# Altium PCB AnalogIO-CAN-HW-Rev1.PcbDoc (part 2 of 2)
Units mil, origin at the board's own origin, x right, y up, seen from the top; angles counter-clockwise.
Board outline 3934 x 2940 mil, 4 copper layers (Top Layer, GND Layer, Power Layer, Bottom Layer), stack 22.154 mil thick; 165 components, 107 nets, 484 pads, 172 vias.
Unrouted connection lines stored in the file: 53.
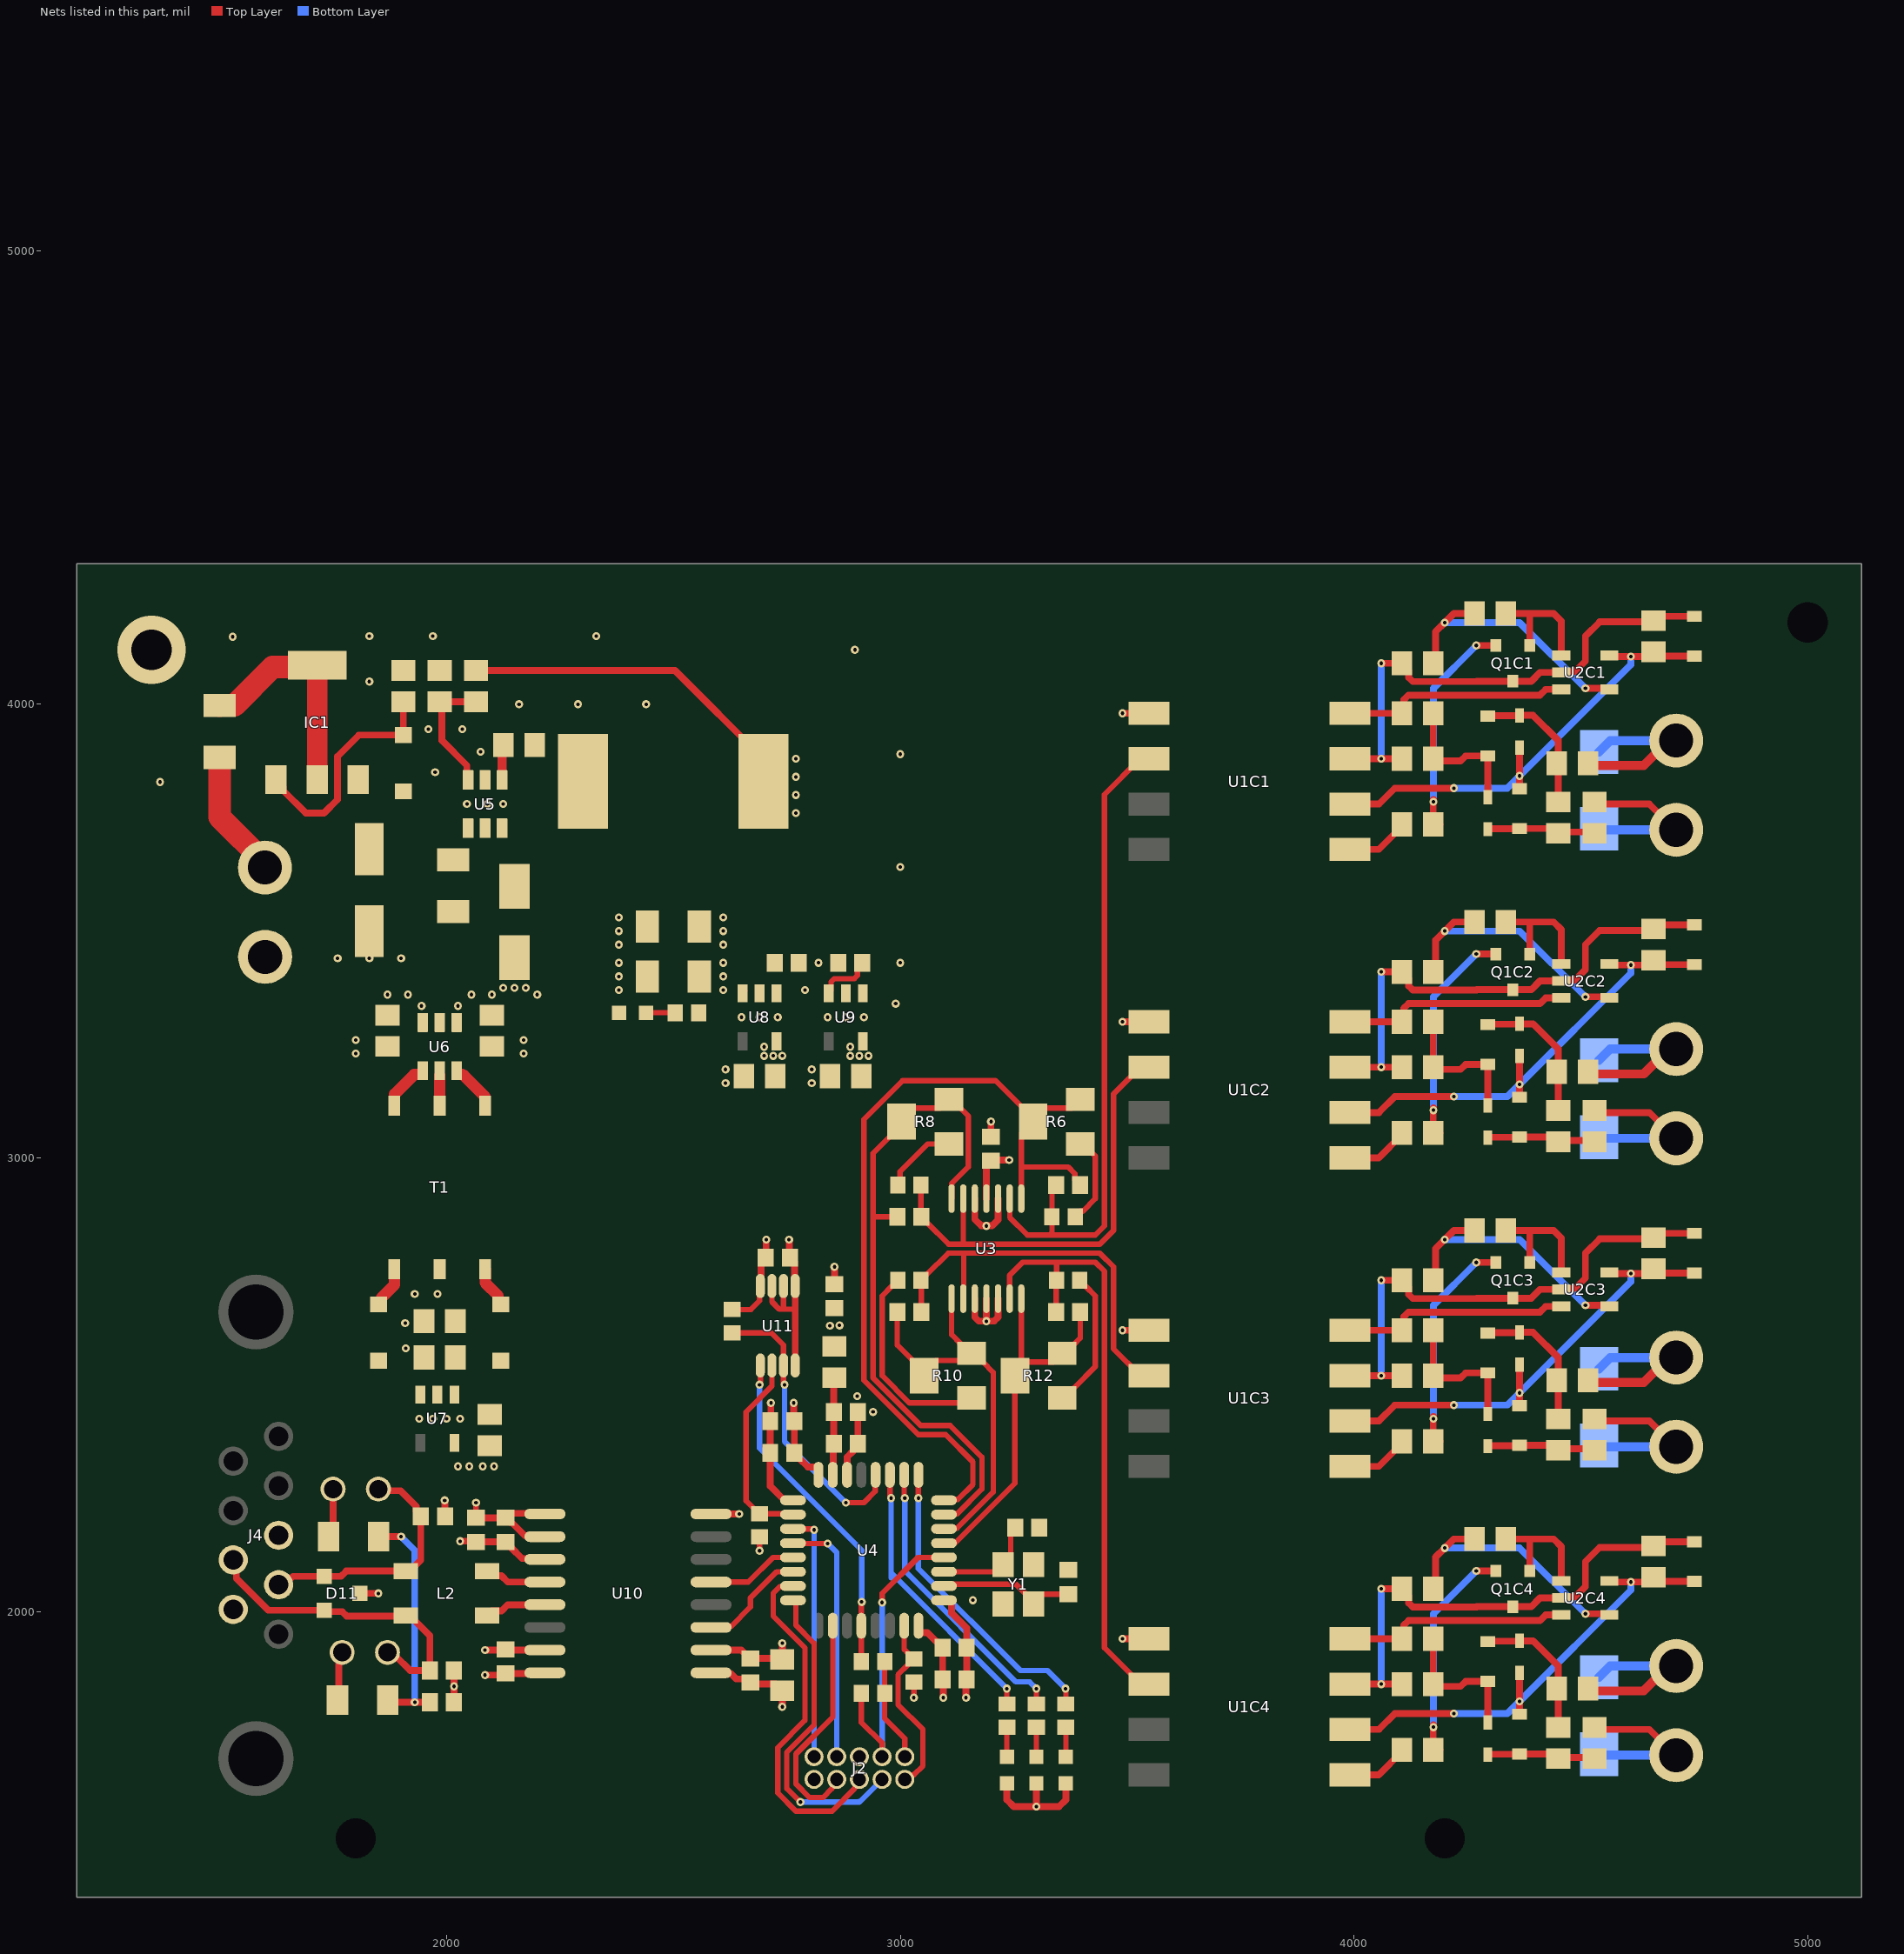
[diagram p4: the nets of this part, all layers, seen from the top]

## Via types
v1: diameter 17.72, hole 7.87, Top Layer to Bottom Layer, 171 vias
v2: diameter 150, hole 89, Top Layer to Bottom Layer, 1 vias

## Nets (pads, with @x,y where several pads share a name; then routed paths per layer and width w, separated by ;. In a path a pad name is that pad's centre, name@x,y a point inside that pad or via, vN(x,y) a via of type N, cw(c..) or ccw(c..) an arc to the next point about the centre after c; other vN are vias at no path point)
AICHN1: C5.2 R6.2 R6.3 U3.1 U4.8 | length 1921.9
  Top Layer w12: U4.8@3096.34,2245.24 3098.19,2247.08 3127.08,2247.08 3160,2280 3160,2330 3100,2390 3040,2390 2920,2510 2920,3085 3005,3170 3210,3170 3266.63,3113.37 3267.26,3113.37 3292.76,3087.87 R6.2@3292.76,3080 3267.26,3054.5 3267.26,3040.09 3266.77,3039.6 3266.77,2980 U3.1@3266.77,2910.22 ; 3270,2980 3370,2980 3384.86,2965.14 3384.86,2951.72 C5.2@3396.57,2940 ; R6.2@3292.76,3084.5 3318.25,3110 3377.87,3110 R6.3@3397.09,3129.21
AICHN2: C6.2 R8.2 R8.3 U3.7 U4.7 | length 1476.5
  Top Layer w12: C6.2@2993.43,2870 2940,2870 ; R8.2@3002.76,3080 3002.76,3072.13 2977.26,3046.63 2976.63,3046.63 2940,3010 2940,2870 ; R8.2@3028.25,3110 3087.87,3110 R8.3@3107.09,3129.21 3112.99,3129.21 3150,3092.2 3150,2980 3113.57,2943.57 3113.57,2910.56 U3.7@3113.23,2910.22 ; U4.7@3096.34,2213.74 3098.19,2215.59 3125.59,2215.59 3180,2270 3180,2340 3110,2410 3045,2410 2940,2515 2940,2870
AICHN3: C7.2 R10.2 R10.3 U3.8 U4.6 | length 899.4
  Top Layer w12: C7.2@2993.43,2660 2993.43,2587.2 R10.2@3052.76,2527.87 ; R10.2@3052.76,2520 R10.2@3052.76,2527.87 ; U4.6@3096.34,2182.24 3098.19,2184.09 3125.4,2184.09 3205,2263.69 3205,2527.2 3182.58,2549.62 3162.99,2569.21 R10.3@3157.09,2569.21 ; U3.8@3113.23,2689.75 3113.23,2610.12 3131.59,2591.76 3131.59,2588.8 3151.18,2569.21 R10.3@3157.09,2569.21 ; R10.2@3052.76,2527.87 3078.25,2553.37 3141.24,2553.37 R10.3@3157.09,2569.21
AICHN4: C8.2 R12.2 R12.3 U3.14 U4.5 | length 812.4
  Top Layer w12: U4.5@3097.61,2152.02 3122.02,2152.02 3252.76,2282.76 R12.2@3252.76,2520 ; R12.2@3259.76,2534.88 R12.2@3266.77,2541.89 ; U3.14@3266.77,2689.75 R12.2@3266.77,2541.89 ; R12.3@3357.09,2569.21 3337.87,2550 3274.88,2550 R12.2@3266.77,2541.89 ; R12.3@3362.99,2569.21 3382.58,2588.8 3396.57,2602.8 C8.2@3396.57,2660
  Top Layer w15: U4.5@3096.34,2150.75 U4.5@3097.61,2152.02
AINC1_N: D3C1.2 FB2C1.2 J1C1.1 | length 411.5
  Top Layer w20: FB2C1.2@4512.99,3870 4517.99,3865 4638.43,3865 4693.43,3920 J1C1.1@4710,3920 ; J1C1.1@4723.21,3910.26 J1C1.1@4729.76,3916.82
  Bottom Layer w20: D3C1.2@4540,3895 4565,3920 J1C1.1@4710,3920
AINC1_P: D3C1.1 FB1C1.1 J1C1.2 | length 413
  Top Layer w15: FB1C1.1@4530,3781.5 4531.5,3780 4651.09,3780 4707.91,3723.18 J1C1.2@4710.24,3723.18 J1C1.2@4720.24,3723.18
  Top Layer w20: J1C1.2@4726.42,3720 J1C1.2@4730,3720
  Bottom Layer w20: D3C1.1@4540,3725.71 4542.53,3723.18 J1C1.2@4710.24,3723.18 ; J1C1.2@4703.42,3740 J1C1.2@4720.24,3723.18
AINC2_N: D3C2.2 FB2C2.2 J1C2.1 | length 411.5
  Top Layer w20: FB2C2.2@4512.99,3190 4517.99,3185 4638.43,3185 4693.43,3240 J1C2.1@4710,3240 ; J1C2.1@4723.21,3230.26 J1C2.1@4729.76,3236.82
  Bottom Layer w20: D3C2.2@4540,3215 4565,3240 J1C2.1@4710,3240
AINC2_P: D3C2.1 FB1C2.1 J1C2.2 | length 413
  Top Layer w15: FB1C2.1@4530,3101.5 4531.5,3100 4651.09,3100 4707.91,3043.18 J1C2.2@4710.24,3043.18 J1C2.2@4720.24,3043.18
  Top Layer w20: J1C2.2@4726.42,3040 J1C2.2@4730,3040
  Bottom Layer w20: D3C2.1@4540,3045.71 4542.53,3043.18 J1C2.2@4710.24,3043.18 ; J1C2.2@4703.42,3060 J1C2.2@4720.24,3043.18
AINC3_N: D3C3.2 FB2C3.2 J1C3.1 | length 411.5
  Top Layer w20: FB2C3.2@4512.99,2510 4517.99,2505 4638.43,2505 4693.43,2560 J1C3.1@4710,2560 ; J1C3.1@4723.21,2550.26 J1C3.1@4729.76,2556.82
  Bottom Layer w20: D3C3.2@4540,2535 4565,2560 J1C3.1@4710,2560
AINC3_P: D3C3.1 FB1C3.1 J1C3.2 | length 413
  Top Layer w15: FB1C3.1@4530,2421.5 4531.5,2420 4651.09,2420 4707.91,2363.18 J1C3.2@4710.24,2363.18 J1C3.2@4720.24,2363.18
  Top Layer w20: J1C3.2@4726.42,2360 J1C3.2@4730,2360
  Bottom Layer w20: D3C3.1@4540,2365.71 4542.53,2363.18 J1C3.2@4710.24,2363.18 ; J1C3.2@4703.42,2380 J1C3.2@4720.24,2363.18
AINC4_N: D3C4.2 FB2C4.2 J1C4.1 | length 411.5
  Top Layer w20: FB2C4.2@4512.99,1830 4517.99,1825 4638.43,1825 4693.43,1880 J1C4.1@4710,1880 ; J1C4.1@4723.21,1870.26 J1C4.1@4729.76,1876.82
  Bottom Layer w20: D3C4.2@4540,1855 4565,1880 J1C4.1@4710,1880
AINC4_P: D3C4.1 FB1C4.1 J1C4.2 | length 413
  Top Layer w15: FB1C4.1@4530,1741.5 4531.5,1740 4651.09,1740 4707.91,1683.18 J1C4.2@4710.24,1683.18 J1C4.2@4720.24,1683.18
  Top Layer w20: J1C4.2@4726.42,1680 J1C4.2@4730,1680
  Bottom Layer w20: D3C4.1@4540,1685.71 4542.53,1683.18 J1C4.2@4710.24,1683.18 ; J1C4.2@4703.42,1700 J1C4.2@4720.24,1683.18
BOOTSEL: J2.2 R14.1 U4.31 | length 409
  Top Layer w12: U4.31@3008.74,1968.66 3008.74,1916.34 3017.3,1907.78 3017.3,1906.32 R14.1@3028.03,1895.59 ; J2.2@3010,1630 3018.12,1630 3028.7,1640.58 3030.58,1640.58 3050,1660 3050,1740 2995,1795 2995,1860.59 3017.3,1882.89 3017.3,1884.86 R14.1@3028.03,1895.59 ; R14.1@3029.49,1895.59 R14.1@3028.03,1895.59 ; R14.1@3030,1895.59 R14.1@3028.03,1895.59
CAN_RXD: U4.21 U10.5 | length 203.1
  Top Layer w12: U10.5@2583.07,2065 2665,2065 2719.25,2119.25 U4.21@2763.66,2119.25
CAN_TXD: U4.22 U10.3 | length 243.2
  Top Layer w12: U10.3@2584.72,1966.65 2626.65,1966.65 2670,2010 2670,2030 2727.76,2087.76 U4.22@2763.66,2087.76
  Top Layer w15: U10.3@2583.07,1965 U10.3@2584.72,1966.65
CANH: L2.1 U10.13 | length 137.4
  Top Layer w15: L2.1@2089.57,1990.79 2099.78,2001 2121,2001 2135,2015 U10.13@2216.93,2015
CANL: L2.2 U10.12 | length 137.4
  Top Layer w15: L2.2@2089.57,2089.21 2099.78,2079 2121.01,2079 2135,2065 U10.12@2216.93,2065
GND: C4.1 C9.2 C10.2 C11.2 C12.1 C13.2 C14.1 C15.2 C16.2 C17.2 C19.2 C20.2 C21.2 C22.2 C23.2 C24.2 C29.2 C30.2 C31.2 C32.2 C35.2 C36.2 C40.2 D8.1 J2.5 J2.10 J3.1 LED1.2 LED2.2 LED3.2 LED4.2 R14.2 R16.1 R17.2 U1C1.5 U1C2.5 U1C3.5 U1C4.5 U3.3 U3.5 U3.10 U3.11 U3.12 U4.14 U4.16 U4.32 U5.2 U6.4 U6.6 U8.2 U9.2 U10.2 U10.8 U11.4 U11.5 U11.6 U11.7 Y1.2 Y1.4 | length 2179.1
  Top Layer w12: U11.7@2717.2,2717.6 2717.2,2682.8 2733.6,2666.4 2768.39,2666.4 ; U11.6@2742.8,2717.6 2742.8,2669.91 2746.31,2666.4 ; v1(3030,1810) R14.2@3030,1844.41
  Top Layer w15: U10.2@2583.07,1915 2649.61,1915 2668.03,1896.57 2737.87,1896.57 C35.2@2740,1894.45 v1(2740,1930) ; U10.8@2583.07,2215 v1(2645,2215) ; v1(2755,2820) 2755.52,2819.48 2755.52,2781.06 C40.2@2756.57,2780 2766.79,2769.78 2766.79,2737.19 2768.39,2735.6 2768.39,2666.4 U11.4@2768.39,2542.4 ; C40.2@2756.57,2788.03 C40.2@2756.57,2790 ; v1(2765,2460) 2765,2421.57 C16.2@2766.57,2420 2766.57,2348.03 2776.79,2337.81 2777.19,2337.81 2796.24,2318.76 2816.69,2318.76 2819.76,2315.69 U4.16@2819.76,2301.34 ; C11.2@2855,2721.57 v1(2855,2760) ; U4.14@2882.76,2301.34 2882.76,2340.32 2896.36,2353.93 2896.36,2359.78 C13.2@2906.57,2370 C12.1@2906.57,2440 ; U4.32@3040.24,1968.66 3040.24,1956.57 3043.31,1953.5 3059.92,1953.5 3081.24,1932.19 3083.21,1932.19 3093.43,1921.97 C17.2@3093.43,1920 C15.2@3093.43,1850 3095,1848.43 v1(3095,1810) ; U3.10@3164.41,2689.75 3164.41,2648.79 3173.19,2640 3206.8,2640 3215.59,2648.79 U3.12@3215.59,2689.75 ; U3.5@3164.41,2910.22 3164.41,2864.59 3178.48,2850.52 3189.48,2850.52 v1(3190,2850) 3190.52,2850.52 3202.52,2850.52 3215.59,2863.59 U3.3@3215.59,2910.22 ; v1(3190,2640) U3.11@3190,2689.75 ; C4.1@3200,3046.57 v1(3200,3080) ; LED3.2@3235,1621.06 3235,1585 3250,1570 v1(3300,1570) ; LED2.2@3300,1621.06 v1(3300,1570) ; LED1.2@3365,1621.06 3365,1585 3350.21,1570.21 3300.21,1570.21 v1(3300,1570) ; v1(3490,1940) U1C4.5@3548.54,1940 ; v1(3490,2620) U1C3.5@3548.54,2620 ; v1(3490,3300) U1C2.5@3548.54,3300 ; v1(3490,3980) U1C1.5@3548.54,3980
  other v1: 3160,2025 2940,2440 2905,2475 2615,3165 2805,3165 2615,3195 2805,3195 2650,3310 2690,3310 2730,3310 2840,3310 2880,3310 2920,3310 1945,3335 2025,3335 2990,3340 1870,3360 1915,3360 2055,3360 2100,3360 2200,3360 2380,3370 2790,3370 2125,3375 2150,3375 2175,3375 2380,3400 2380,3430 2820,3430 3000,3430 1760,3440 1830,3440 1900,3440 2380,3470 2380,3500 2380,3530 3000.04,3641.41 2045,3780 2090,3780 2125,3780 1368.85,3828.68 1975,3850 3000,3890 2075,3895 1960,3945 2035,3945 2160,4000 2290,4000 2440,4000 1830,4050 2900,4120 1528.85,4148.68 1830,4150 1970,4150 2330,4150
  other v2: 1350,4120
GND_ISO: C25.2 C26.2 C27.2 C28.2 C33.1 C34.2 C37.2 C38.1 C39.1 D11.3 J4.3 J4.6 T1.5 U7.2 U10.9 U10.10 U10.15 | length 569.3
  Top Layer w12: C33.1@2065,2206.57 v1(2065,2240) ; U10.9@2215.35,2216.57 U10.9@2216.93,2215
  Top Layer w15: D11.3@1809.37,2040 v1(1850,2040) ; v1(1996,2245) 1996.29,2244.71 1996.29,2210.29 C39.1@1996.57,2210 ; C38.1@2016.57,1800 C37.2@2016.57,1870 ; C33.1@2065,2206.57 C34.2@2130,2206.57 2140.22,2196.36 2143.64,2196.36 2173.35,2166.65 2215.28,2166.65 U10.10@2216.93,2165 ; v1(2085,1915) 2128.43,1915 C28.2@2130,1916.57 2131.57,1915 U10.15@2216.93,1915 ; C34.2@2130,2216.57 U10.9@2215.35,2216.57
  other v1: 2016.57,1835 1940,2425 1970,2425 2000,2425 2030,2425 1910,2580 1909,2636 1930,2700 1980,2700
I2C_SCL: R22.1 U4.18 U11.2 | length 438.5
  Top Layer w12: U11.2@2717.2,2542.4 2717.2,2497.2 2660,2440 2660,2244.02 2677.3,2226.72 2677.3,2226.32 2688.03,2215.59 2741.48,2215.59 2743.33,2213.74 U4.18@2763.66,2213.74
I2C_SDA: R21.1 U4.28 U11.1 | length 746.6
  Top Layer w12: v1(2690,2500) 2690,2501.55 2691.61,2503.16 U11.1@2691.61,2542.4 ; R21.1@2914.41,1890 2914.41,1968.5 U4.28@2914.25,1968.66 2914.25,2020.41 v1(2915,2021.16)
  Bottom Layer w12: v1(2690,2500) 2690,2360 2915,2135 v1(2915,2021.16)
ISOIN1: C5.1 R5.2 U1C1.6 U3.2 | length 1472.4
  Top Layer w12: U3.2@3241.18,2910.22 3241.52,2909.88 3241.52,2868.48 3280,2830 3330,2830 ; C5.1@3343.43,2940 3334.41,2930.98 R5.2@3334.41,2870 3334.41,2834.41 3330,2830 ; U1C1.6@3548.54,3880 3529.06,3880 3450,3800.94 3450,2850 3430,2830 3334.41,2830 3330,2830
ISOIN2: C6.1 R7.2 U1C2.6 U3.6 | length 1036.4
  Top Layer w12: R7.2@3045.59,2940 3045.59,2869.02 3058.29,2856.31 3060.26,2856.31 3106.57,2810 3138.82,2810 ; U3.6@3138.82,2910.22 3138.82,2810 ; U1C2.6@3548.54,3200 3529.06,3200 3470,3140.94 3470,2840 3440,2810 3138.82,2810
ISOIN3: C7.1 R9.2 U1C3.6 U3.9 | length 917.9
  Top Layer w12: C7.1@3046.57,2660 3046.57,2730.98 3045.59,2731.97 3056.32,2742.7 3058.29,2742.7 3105.59,2790 3140,2790 ; U3.9@3138.82,2689.75 3138.82,2714.84 3140,2716.02 3140,2790 ; U1C3.6@3548.54,2520 3529.06,2520 3470,2579.06 3470,2760 3440,2790 3140,2790
ISOIN4: C8.1 R11.2 U1C4.6 U3.13 | length 1326.3
  Top Layer w12: U3.13@3241.18,2689.75 3241.18,2741.18 3270,2770 3340,2770 ; C8.1@3343.43,2660 3343.43,2729.02 R11.2@3344.41,2730 3344.41,2765.59 3340,2770 ; U1C4.6@3509.46,1860.54 3450,1920 3450,2750 3430,2770 3344.41,2770 3340,2770 ; U1C4.6@3529.06,1840 U1C4.6@3548.54,1840
LEDIND1: R24.1 U4.9 | length 694.9
  Top Layer w12: v1(3040,2250) 3040,2301.1 U4.9@3040.24,2301.34 U4.9@3040.24,2321.67 ; v1(3364.23,1830) 3365,1829.23 R24.1@3365,1796.18
  Bottom Layer w12: v1(3040,2250) 3040,2095 3265,1870 3324.23,1870 v1(3364.23,1830)
LEDIND2: R25.1 U4.10 | length 643.4
  Top Layer w12: U4.10@3008.74,2301.34 3008.74,2252.81 3010,2251.55 v1(3010,2250) ; R25.1@3300,1796.18 v1(3300,1830)
  Bottom Layer w12: v1(3010,2250) 3010,2090 3255,1845 3285,1845 v1(3300,1830)
LEDIND3: R26.1 U4.11 | length 621.9
  Top Layer w12: U4.11@2977.24,2301.34 2977.24,2254.3 2980,2251.55 v1(2980,2250) ; v1(3234.83,1830) 3235,1829.83 R26.1@3235,1796.18
  Bottom Layer w12: 2980,2074.83 v1(2980,2250) ; 2980,2084.83 v1(3234.83,1830)
NetC1C1_1: C1C1.1 Q1C1.1 U2C1.1 | length 279.4
  Top Layer w15: C1C1.1@4331.5,4200 4385.75,4200 ; Q1C1.1@4387.4,4129.37 4387.4,4198.35 4385.75,4200 ; U2C1.1@4456.85,4107.4 4456.85,4183.15 4440,4200 4385.75,4200
NetC1C1_2: C1C1.2 R2C1.1 U2C1.4 | length 601.6
  Top Layer w15: R2C1.1@4174.45,4090 4180,4095.55 4180,4160 v1(4200,4180) 4220,4200 C1C1.2@4268.5,4200 ; v1(4510,4035) 4560.75,4035 U2C1.4@4563.15,4032.6
  Bottom Layer w15: v1(4200,4180) 4365,4180 v1(4510,4035)
NetC1C2_1: C1C2.1 Q1C2.1 U2C2.1 | length 279.4
  Top Layer w15: C1C2.1@4331.5,3520 4385.75,3520 ; Q1C2.1@4387.4,3449.37 4387.4,3518.35 4385.75,3520 ; U2C2.1@4456.85,3427.4 4456.85,3503.15 4440,3520 4385.75,3520
NetC1C2_2: C1C2.2 R2C2.1 U2C2.4 | length 601.6
  Top Layer w15: R2C2.1@4174.45,3410 4180,3415.55 4180,3480 v1(4200,3500) 4220,3520 C1C2.2@4268.5,3520 ; v1(4510,3355) 4560.75,3355 U2C2.4@4563.15,3352.6
  Bottom Layer w15: v1(4200,3500) 4365,3500 v1(4510,3355)
NetC1C3_1: C1C3.1 Q1C3.1 U2C3.1 | length 279.4
  Top Layer w15: C1C3.1@4331.5,2840 4385.75,2840 ; Q1C3.1@4387.4,2769.37 4387.4,2838.35 4385.75,2840 ; U2C3.1@4456.85,2747.4 4456.85,2823.15 4440,2840 4385.75,2840
NetC1C3_2: C1C3.2 R2C3.1 U2C3.4 | length 601.6
  Top Layer w15: R2C3.1@4174.45,2730 4180,2735.55 4180,2800 v1(4200,2820) 4220,2840 C1C3.2@4268.5,2840 ; v1(4510,2675) 4560.75,2675 U2C3.4@4563.15,2672.6
  Bottom Layer w15: v1(4200,2820) 4365,2820 v1(4510,2675)
NetC1C4_1: C1C4.1 Q1C4.1 U2C4.1 | length 279.4
  Top Layer w15: C1C4.1@4331.5,2160 4385.75,2160 ; Q1C4.1@4387.4,2089.37 4387.4,2158.35 4385.75,2160 ; U2C4.1@4456.85,2067.4 4456.85,2143.15 4440,2160 4385.75,2160
NetC1C4_2: C1C4.2 R2C4.1 U2C4.4 | length 601.6
  Top Layer w15: R2C4.1@4174.45,2050 4180,2055.55 4180,2120 v1(4200,2140) 4220,2160 C1C4.2@4268.5,2160 ; v1(4510,1995) 4560.75,1995 U2C4.4@4563.15,1992.6
  Bottom Layer w15: v1(4200,2140) 4365,2140 v1(4510,1995)
NetC2C1_1: C2C1.1 D2C1.1 D5C1.2 FB2C1.1 | length 317.1
  Top Layer w15: D5C1.2@4295,3973.8 4295.82,3974.62 4364.18,3974.62 D2C1.1@4365,3975.43 4394.57,3975.43 4450,3920 4450,3870 C2C1.1@4450,3781.5
NetC2C1_2: C2C1.2 D1C1.1 D4C1.2 FB1C1.2 | length 238.9
  Top Layer w15: D4C1.2@4295,3724.57 4295.82,3725.38 4364.18,3725.38 D1C1.1@4365,3726.2 4442.3,3726.2 4450,3718.5 FB1C1.2@4530,3718.5
NetC2C2_1: C2C2.1 D2C2.1 D5C2.2 FB2C2.1 | length 317.1
  Top Layer w15: D5C2.2@4295,3293.8 4295.82,3294.62 4364.18,3294.62 D2C2.1@4365,3295.43 4394.57,3295.43 4450,3240 4450,3190 C2C2.1@4450,3101.5
NetC2C2_2: C2C2.2 D1C2.1 D4C2.2 FB1C2.2 | length 238.9
  Top Layer w15: D4C2.2@4295,3044.57 4295.82,3045.38 4364.18,3045.38 D1C2.1@4365,3046.2 4442.3,3046.2 4450,3038.5 FB1C2.2@4530,3038.5
NetC2C3_1: C2C3.1 D2C3.1 D5C3.2 FB2C3.1 | length 317.1
  Top Layer w15: D5C3.2@4295,2613.8 4295.82,2614.62 4364.18,2614.62 D2C3.1@4365,2615.43 4394.57,2615.43 4450,2560 4450,2510 C2C3.1@4450,2421.5
NetC2C3_2: C2C3.2 D1C3.1 D4C3.2 FB1C3.2 | length 238.9
  Top Layer w15: D4C3.2@4295,2364.57 4295.82,2365.38 4364.18,2365.38 D1C3.1@4365,2366.2 4442.3,2366.2 4450,2358.5 FB1C3.2@4530,2358.5
NetC2C4_1: C2C4.1 D2C4.1 D5C4.2 FB2C4.1 | length 317.1
  Top Layer w15: D5C4.2@4295,1933.8 4295.82,1934.62 4364.18,1934.62 D2C4.1@4365,1935.43 4394.57,1935.43 4450,1880 4450,1830 C2C4.1@4450,1741.5
NetC2C4_2: C2C4.2 D1C4.1 D4C4.2 FB1C4.2 | length 238.9
  Top Layer w15: D4C4.2@4295,1684.57 4295.82,1685.38 4364.18,1685.38 D1C4.1@4365,1686.2 4442.3,1686.2 4450,1678.5 FB1C4.2@4530,1678.5
NetC3C1_1: C3C1.1 D6C1.1 Q1C1.3 R1C1.2 R2C1.2 U1C1.3 U2C1.2 | length 1132
  Top Layer w15: U1C1.3@3991.46,3880 v1(4060,3880) R1C1.2@4105.55,3880 ; v1(4060.28,4090.18) 4105.37,4090.18 R2C1.2@4105.55,4090 4120.69,4074.86 4120.69,4058.79 4129.48,4050 4270,4050 4270.63,4050.63 Q1C1.3@4350,4050.63 4390.63,4050.63 4410,4070 U2C1.2@4456.85,4070 4458.94,4072.09 4487.09,4072.09 4510,4095 4510,4150 4541.5,4181.5 4660,4181.5 4672.3,4193.8 D6C1.1@4750,4193.8
  Bottom Layer w15: v1(4060,3880) 4060,4090 4060.1,4090 v1(4060.28,4090.18)
NetC3C1_2: C3C1.2 D1C1.2 D2C1.2 D6C1.2 U1C1.2 U2C1.5 | length 1048.4
  Top Layer w15: U1C1.2@3991.46,3780 4055,3780 4090,3815 v1(4220,3815) ; D1C1.2@4365,3813.8 v1(4365,3842) D2C1.2@4365,3904.57 ; U2C1.5@4563.15,4107.4 4565.55,4105 v1(4610,4105) 4646.5,4105 4654.45,4112.95 4661.2,4106.2 D6C1.2@4750,4106.2
  Bottom Layer w15: v1(4220,3815) 4338,3815 v1(4365,3842) 4610,4087 v1(4610,4105)
NetC3C2_1: C3C2.1 D6C2.1 Q1C2.3 R1C2.2 R2C2.2 U1C2.3 U2C2.2 | length 1132
  Top Layer w15: U1C2.3@3991.46,3200 v1(4060,3200) R1C2.2@4105.55,3200 ; v1(4060.28,3410.18) 4105.37,3410.18 R2C2.2@4105.55,3410 4120.69,3394.86 4120.69,3378.79 4129.48,3370 4270,3370 4270.63,3370.63 Q1C2.3@4350,3370.63 4390.63,3370.63 4410,3390 U2C2.2@4456.85,3390 4458.94,3392.09 4487.09,3392.09 4510,3415 4510,3470 4541.5,3501.5 4660,3501.5 4672.3,3513.8 D6C2.1@4750,3513.8
  Bottom Layer w15: v1(4060,3200) 4060,3410 4060.1,3410 v1(4060.28,3410.18)
NetC3C2_2: C3C2.2 D1C2.2 D2C2.2 D6C2.2 U1C2.2 U2C2.5 | length 1048.4
  Top Layer w15: U1C2.2@3991.46,3100 4055,3100 4090,3135 v1(4220,3135) ; D1C2.2@4365,3133.8 v1(4365,3162) D2C2.2@4365,3224.57 ; U2C2.5@4563.15,3427.4 4565.55,3425 v1(4610,3425) 4646.5,3425 4654.45,3432.95 4661.2,3426.2 D6C2.2@4750,3426.2
  Bottom Layer w15: v1(4220,3135) 4338,3135 v1(4365,3162) 4610,3407 v1(4610,3425)
NetC3C3_1: C3C3.1 D6C3.1 Q1C3.3 R1C3.2 R2C3.2 U1C3.3 U2C3.2 | length 1132
  Top Layer w15: U1C3.3@3991.46,2520 v1(4060,2520) R1C3.2@4105.55,2520 ; v1(4060.28,2730.18) 4105.37,2730.18 R2C3.2@4105.55,2730 4120.69,2714.86 4120.69,2698.79 4129.48,2690 4270,2690 4270.63,2690.63 Q1C3.3@4350,2690.63 4390.63,2690.63 4410,2710 U2C3.2@4456.85,2710 4458.94,2712.09 4487.09,2712.09 4510,2735 4510,2790 4541.5,2821.5 4660,2821.5 4672.3,2833.8 D6C3.1@4750,2833.8
  Bottom Layer w15: v1(4060,2520) 4060,2730 4060.1,2730 v1(4060.28,2730.18)
NetC3C3_2: C3C3.2 D1C3.2 D2C3.2 D6C3.2 U1C3.2 U2C3.5 | length 1048.4
  Top Layer w15: U1C3.2@3991.46,2420 4055,2420 4090,2455 v1(4220,2455) ; D1C3.2@4365,2453.8 v1(4365,2482) D2C3.2@4365,2544.57 ; U2C3.5@4563.15,2747.4 4565.55,2745 v1(4610,2745) 4646.5,2745 4654.45,2752.95 4661.2,2746.2 D6C3.2@4750,2746.2
  Bottom Layer w15: v1(4220,2455) 4338,2455 v1(4365,2482) 4610,2727 v1(4610,2745)
NetC3C4_1: C3C4.1 D6C4.1 Q1C4.3 R1C4.2 R2C4.2 U1C4.3 U2C4.2 | length 1132
  Top Layer w15: U1C4.3@3991.46,1840 v1(4060,1840) R1C4.2@4105.55,1840 ; v1(4060.28,2050.18) 4105.37,2050.18 R2C4.2@4105.55,2050 4120.69,2034.86 4120.69,2018.79 4129.48,2010 4270,2010 4270.63,2010.63 Q1C4.3@4350,2010.63 4390.63,2010.63 4410,2030 U2C4.2@4456.85,2030 4458.94,2032.09 4487.09,2032.09 4510,2055 4510,2110 4541.5,2141.5 4660,2141.5 4672.3,2153.8 D6C4.1@4750,2153.8
  Bottom Layer w15: v1(4060,1840) 4060,2050 4060.1,2050 v1(4060.28,2050.18)
NetC3C4_2: C3C4.2 D1C4.2 D2C4.2 D6C4.2 U1C4.2 U2C4.5 | length 1048.4
  Top Layer w15: U1C4.2@3991.46,1740 4055,1740 4090,1775 v1(4220,1775) ; D1C4.2@4365,1773.8 v1(4365,1802) D2C4.2@4365,1864.57 ; U2C4.5@4563.15,2067.4 4565.55,2065 v1(4610,2065) 4646.5,2065 4654.45,2072.95 4661.2,2066.2 D6C4.2@4750,2066.2
  Bottom Layer w15: v1(4220,1775) 4338,1775 v1(4365,1802) 4610,2047 v1(4610,2065)
NetC12_2: C12.2 C13.1 FB3.1 U4.15 | length 215.8
  Top Layer w12: U4.15@2851.26,2301.34 U4.15@2852.34,2302.42 ; C13.1@2852.34,2368.92 C13.1@2853.43,2370 ; FB3.1@2853.43,2513.98 FB3.1@2855,2515.55
  Top Layer w15: U4.15@2852.34,2302.42 C13.1@2852.34,2368.92 ; C13.1@2853.43,2370 C12.2@2853.43,2440 FB3.1@2853.43,2513.98
NetC18_1: C18.1 D8.2 L1.1 U5.6
NetC18_2: C18.2 U5.1 | length 69.7
  Top Layer w20: C18.2@2115.55,3900 2122.4,3893.15 U5.1@2122.4,3833.15
NetC19_1: C19.1 C20.1 D7.2 IC1.3 U5.4 U5.5 | length 7.9
  Top Layer w15: IC1.3@1805.55,3826.14 IC1.3@1805.55,3834.02
NetC25_1: C25.1 C26.1 D9.2 D10.2 U7.1 U7.3
NetC37_1: C37.1 D11.2 J4.7 JP1.1 L2.4 | length 701.6
  Top Layer w15: J4.7@1530,2113.78 1536.78,2107 1536.78,2073.22 1607.4,2002.6 D11.2@1730.63,2002.6 1733.23,2000 1770,2000 1780,1990 1920.08,1990 1929.51,1980.57 1929.51,1980.49 1963.43,1946.58 C37.1@1963.43,1871.97 ; JP1.1@1872.35,1902.35 1887.65,1902.35 1920,1870 C37.1@1963.43,1870
NetC38_2: C38.2 R19.1 R20.1 | length 519.8
  Top Layer w15: R20.1@1850.12,2165 v1(1900,2165) ; R19.1@1865.12,1810 R19.1@1870.12,1805 1875.12,1800 v1(1930,1800) C38.2@1953.43,1800
  Bottom Layer w15: v1(1900,2165) 1930,2135 v1(1930,1800)
NetC39_2: C39.2 D11.1 J4.2 JP2.1 L2.3 | length 552.6
  Top Layer w15: J4.2@1630,2059.06 1643.36,2059.06 1661.71,2077.4 D11.1@1730.63,2077.4 1767.4,2077.4 1779.21,2089.21 1919.29,2089.21 1929.51,2099.43 1943.43,2113.35 C39.2@1943.43,2205 ; JP2.1@1850,2270 1853.64,2266.36 1898.64,2266.36 1933.21,2231.79 1933.21,2220.22 C39.2@1943.43,2210
NetD4C1_1: D4C1.1 D5C1.1 R1C1.1 R3C1.1 | length 318
  Top Layer w15: R3C1.1@4174.45,3980 R1C1.1@4174.45,3880 4179.45,3875 4235,3875 4246.2,3886.2 D5C1.1@4295,3886.2 D4C1.1@4295,3795.43
NetD4C2_1: D4C2.1 D5C2.1 R1C2.1 R3C2.1 | length 318
  Top Layer w15: R3C2.1@4174.45,3300 R1C2.1@4174.45,3200 4179.45,3195 4235,3195 4246.2,3206.2 D5C2.1@4295,3206.2 D4C2.1@4295,3115.43
NetD4C3_1: D4C3.1 D5C3.1 R1C3.1 R3C3.1 | length 318
  Top Layer w15: R3C3.1@4174.45,2620 R1C3.1@4174.45,2520 4179.45,2515 4235,2515 4246.2,2526.2 D5C3.1@4295,2526.2 D4C3.1@4295,2435.43
NetD4C4_1: D4C4.1 D5C4.1 R1C4.1 R3C4.1 | length 318
  Top Layer w15: R3C4.1@4174.45,1940 R1C4.1@4174.45,1840 4179.45,1835 4235,1835 4246.2,1846.2 D5C4.1@4295,1846.2 D4C4.1@4295,1755.43
NetD7_1: D7.1 IC1.1 R16.2 | length 516.6
  Top Layer w15: IC1.1@1624.45,3834.02 1640.57,3817.89 1640.57,3809.43 1690,3760 1730,3760 1760,3790 1760,3885 1807.01,3932.01 D7.1@1905,3932.01 R16.2@1905,4005.55
NetD9_1: D9.1 T1.6 | length 93.1
  Top Layer w25: T1.6@2085,2755 2085.5,2754.5 2085.5,2724.5 2113.8,2696.2 2113.8,2682.22 2119.02,2677.01 D9.1@2120,2677.01
NetD10_1: D10.1 T1.4 | length 93.1
  Top Layer w25: D10.1@1850,2677.01 1850.98,2677.01 1856.2,2682.22 1856.2,2691.2 1885,2720 T1.4@1885,2755
NetF1_1: F1.1 J3.2 | length 284.3
  Top Layer w50: F1.1@1500,3882.91 1500,3751.08 1600,3651.08 J3.2@1600,3640
NetF1_2: F1.2 IC1.2 IC1.4 | length 503.8
  Top Layer w45: IC1.2@1715,3834.02 IC1.4@1715,4085.98
  Top Layer w50: F1.2@1500,3997.09 1500.59,3997.68 1532.68,3997.68 1616.73,4081.73 1710.75,4081.73 IC1.4@1715,4085.98
NetJP1_2: JP1.2 R19.2 | length 103.7
  Top Layer w15: R19.2@1759.88,1805 1762.35,1807.46 JP1.2@1762.35,1907.65
NetJP2_2: JP2.2 R20.2 | length 109.3
  Top Layer w15: R20.2@1739.88,2165 1750,2175.12 JP2.2@1750,2270 JP2.2@1750.12,2270
NetLED1_1: LED1.1 R24.2 | length 64.9
  Top Layer w12: LED1.1@3365,1680.12 R24.2@3365,1745
NetLED2_1: LED2.1 R25.2 | length 64.9
  Top Layer w12: LED2.1@3300,1680.12 R25.2@3300,1745
NetLED3_1: LED3.1 R26.2 | length 64.9
  Top Layer w12: LED3.1@3235,1680.12 R26.2@3235,1745
NetLED4_1: LED4.1 R18.2 | length 64.9
  Top Layer w12: LED4.1@2439.53,3320 R18.2@2504.41,3320
NetQ1C1_2: Q1C1.2 R4C1.2 | length 484.9
  Top Layer w15: v1@4175,3790.15 4174.45,3789.59 R4C1.2@4174.45,3735 R4C1.2@4175.55,3736.1 ; R4C1.2@4185.55,3739.45 R4C1.2@4190,3735 ; v1(4269.49,4129.52) 4269.56,4129.44 4312.52,4129.44 Q1C1.2@4312.6,4129.37
  Bottom Layer w15: v1@4175,3790.15 4175,4035.03 v1(4269.49,4129.52)
  other v1: 4175,3785.14
NetQ1C2_2: Q1C2.2 R4C2.2 | length 484.9
  Top Layer w15: v1@4175,3110.15 4174.45,3109.59 R4C2.2@4174.45,3055 R4C2.2@4175.55,3056.1 ; R4C2.2@4185.55,3059.45 R4C2.2@4190,3055 ; v1(4269.49,3449.52) 4269.56,3449.44 4312.52,3449.44 Q1C2.2@4312.6,3449.37
  Bottom Layer w15: v1@4175,3110.15 4175,3355.03 v1(4269.49,3449.52)
  other v1: 4175,3105.14
NetQ1C3_2: Q1C3.2 R4C3.2 | length 484.9
  Top Layer w15: v1@4175,2430.15 4174.45,2429.59 R4C3.2@4174.45,2375 R4C3.2@4175.55,2376.1 ; R4C3.2@4185.55,2379.45 R4C3.2@4190,2375 ; v1(4269.49,2769.52) 4269.56,2769.44 4312.52,2769.44 Q1C3.2@4312.6,2769.37
  Bottom Layer w15: v1@4175,2430.15 4175,2675.03 v1(4269.49,2769.52)
  other v1: 4175,2425.14
NetQ1C4_2: Q1C4.2 R4C4.2 | length 484.9
  Top Layer w15: v1@4175,1750.15 4174.45,1749.59 R4C4.2@4174.45,1695 R4C4.2@4175.55,1696.1 ; R4C4.2@4185.55,1699.45 R4C4.2@4190,1695 ; v1(4269.49,2089.52) 4269.56,2089.44 4312.52,2089.44 Q1C4.2@4312.6,2089.37
  Bottom Layer w15: v1@4175,1750.15 4175,1995.03 v1(4269.49,2089.52)
  other v1: 4175,1745.14
NetR3C1_2: R3C1.2 U1C1.4 U2C1.3 | length 502.1
  Top Layer w15: U1C1.4@3991.46,3980 R3C1.2@4105.55,3980 4110,3984.45 4110,4010 4120,4020 4410,4020 4422.6,4032.6 U2C1.3@4456.85,4032.6
NetR3C2_2: R3C2.2 U1C2.4 U2C2.3 | length 502.1
  Top Layer w15: U1C2.4@3991.46,3300 R3C2.2@4105.55,3300 4110,3304.45 4110,3330 4120,3340 4410,3340 4422.6,3352.6 U2C2.3@4456.85,3352.6
NetR3C3_2: R3C3.2 U1C3.4 U2C3.3 | length 502.1
  Top Layer w15: U1C3.4@3991.46,2620 R3C3.2@4105.55,2620 4110,2624.45 4110,2650 4120,2660 4410,2660 4422.6,2672.6 U2C3.3@4456.85,2672.6
NetR3C4_2: R3C4.2 U1C4.4 U2C4.3 | length 502.1
  Top Layer w15: U1C4.4@3991.46,1940 R3C4.2@4105.55,1940 4110,1944.45 4110,1970 4120,1980 4410,1980 4422.6,1992.6 U2C4.3@4456.85,1992.6
NetR4C1_1: R4C1.1 U1C1.1 | length 139.2
  Top Layer w12: R4C1.1@4105.55,3731.06 R4C1.1@4105.55,3735
  Top Layer w15: U1C1.1@3991.46,3680 4054.49,3680 R4C1.1@4105.55,3731.06
NetR4C2_1: R4C2.1 U1C2.1 | length 139.2
  Top Layer w12: R4C2.1@4105.55,3051.06 R4C2.1@4105.55,3055
  Top Layer w15: U1C2.1@3991.46,3000 4054.49,3000 R4C2.1@4105.55,3051.06
NetR4C3_1: R4C3.1 U1C3.1 | length 139.2
  Top Layer w12: R4C3.1@4105.55,2371.06 R4C3.1@4105.55,2375
  Top Layer w15: U1C3.1@3991.46,2320 4054.49,2320 R4C3.1@4105.55,2371.06
NetR4C4_1: R4C4.1 U1C4.1 | length 139.2
  Top Layer w12: R4C4.1@4105.55,1691.06 R4C4.1@4105.55,1695
  Top Layer w15: U1C4.1@3991.46,1640 4054.49,1640 R4C4.1@4105.55,1691.06
NetR5_1: R5.1 R6.1 | length 200
  Top Layer w12: R5.1@3385.59,2870 3385.59,2871.97 3396.32,2882.7 3402.7,2882.7 3430,2910 3430,3003.78 3402.99,3030.79 R6.1@3397.09,3030.79
NetR7_1: R7.1 R8.1 | length 164.6
  Top Layer w12: R7.1@2994.41,2940 2999.67,2945.26 2999.67,2969.67 3060.79,3030.79 R8.1@3107.09,3030.79
NetR9_1: R9.1 R10.1 | length 451.8
  Top Layer w12: R9.1@2994.41,2730 2994.41,2728.03 2983.68,2717.3 2981.71,2717.3 2960,2695.59 2960,2520 3020,2460 3146.3,2460 R10.1@3157.09,2470.79
NetR11_1: R11.1 R12.1 | length 308.3
  Top Layer w12: R12.1@3357.09,2470.79 3362.99,2470.79 3382.58,2490.38 3382.58,2492.58 3430,2540 3430,2695.59 3408.29,2717.3 3406.32,2717.3 3395.59,2728.03 R11.1@3395.59,2730
NetR15_2: R15.2 R17.1 U5.3 | length 278.3
  Top Layer w12: R17.1@1985,4005.55 R17.1@1990,4000.55
  Top Layer w15: R17.1@1985,4005.55 R15.2@2065,4005.55 ; R17.1@1990,4000.55 1990,3920 2044.93,3865.07 2044.93,3835.82 U5.3@2047.6,3833.15
NetR23_2: R23.2 U4.12 U11.3 | length 640.1
  Top Layer w12: R23.2@2630,2614.41 2715.59,2614.41 2742.8,2587.2 U11.3@2742.8,2542.4 2742.8,2503.75 2745,2501.55 v1(2745,2500) ; v1(2880,2240) 2920,2240 2945,2265 2945,2300.59 U4.12@2945.75,2301.34
  Bottom Layer w12: v1(2745,2500) 2745,2375 v1(2880,2240)
NetT1_1: T1.1 U6.3 | length 102.1
  Top Layer w25: U6.3@2023.09,3183.68 2035.22,3183.68 2037.05,3181.85 2038.15,3181.85 2084.5,3135.5 2084.5,3115.5 T1.1@2085,3115
NetT1_3: T1.3 U6.1 | length 105
  Top Layer w25: T1.3@1885,3115 1885.5,3115.5 1885.5,3140.5 1928.68,3183.68 U6.1@1946.91,3183.68
NRST: J2.3 R13.2 U4.4 | length 688.1
  Top Layer w12: R13.2@2914.41,1820 2914.41,1755.59 2960,1710 J2.3@2960,1680 ; v1(2960,2020) 2960,2040 3039.25,2119.25 U4.4@3096.34,2119.25
  Bottom Layer w12: J2.3@2960,1680 v1(2960,2020)
OSC_N: C9.1 U4.3 Y1.1 | length 229.5
  Top Layer w12: U4.3@3096.34,2087.76 3210.98,2087.76 Y1.1@3226.54,2103.31 3243.43,2120.2 3243.43,2175 C9.1@3253.43,2185
OSC_P: C10.1 U4.2 Y1.3 | length 319.9
  Top Layer w12: U4.2@3099.6,2060 3115.86,2060 3255,2060 Y1.3@3277.34,2037.66 ; Y1.3@3293.46,2020.63 3311.09,2038.25 3317.94,2038.25 3318.12,2038.43 C10.1@3370,2038.43
  Top Layer w15: U4.2@3097.61,2057.53 U4.2@3096.34,2056.26 U4.2@3115.86,2056.26 ; Y1.3@3277.34,2037.66 3277.34,2032.82 Y1.3@3293.46,2016.69
SWCLK: J2.4 U4.24 | length 704
  Top Layer w12: U4.24@2763.66,2024.76 2765.54,2024.76 2770,2020.3 2770,1970 2810,1930 2810,1750 2750,1690 2750,1610 v1(2780,1580)
  Bottom Layer w12: v1(2780,1580) 2907.81,1580 2908.91,1581.09 2910,1580 J2.4@2960,1630
SWDIO: J2.6 U4.23 | length 775.7
  Top Layer w12: U4.23@2763.66,2056.26 2761.81,2054.41 2734.41,2054.41 2720,2040 2720,1990 2790,1920 2790,1760 2730,1700 2730,1600 2770,1560 2850,1560 2899.42,1609.42 2899.42,1611.31 2910,1621.88 J2.6@2910,1630
SWO: J2.8 U4.26 | length 507.2
  Top Layer w12: U4.26@2851.26,1968.66 2851.26,1767.26 2770,1686 2770,1620 2800,1590 2830,1590 2849.42,1609.42 2849.42,1611.31 2860,1621.88 J2.8@2860,1630
UARTRX: J2.7 U4.20 | length 554.9
  Top Layer w12: U4.20@2763.66,2150.75 2764.41,2150 v1(2840,2150)
  Bottom Layer w12: v1(2840,2150) 2860,2130 J2.7@2860,1680
UARTTX: J2.9 U4.19 | length 547.3
  Top Layer w12: U4.19@2763.66,2182.24 2764.06,2181.85 2806.61,2181.85 2808.45,2180 v1(2810,2180)
  Bottom Layer w12: J2.9@2810,1680 v1(2810,2180)
VCC_5: C21.1 C22.1 C23.1 C24.1 C29.1 C31.1 L1.2 R15.1 R18.1 T1.2 U6.2 U6.5 U8.1 U8.3 U9.1 U9.3 | length 968.4
  Top Layer w12: U8.3@2652.6,3363.15 U8.3@2657.43,3367.98 ; C29.1@2718.16,3424.74 C29.1@2723.43,3430 ; U9.3@2842.6,3363.15 2847.43,3367.98 2847.43,3387.97 2854.45,3395 2898.66,3395 2905.69,3402.03 2905.69,3419.11 C31.1@2916.57,3430
  Top Layer w15: R15.1@2065,4074.45 2503.58,4074.45 L1.2@2698.82,3879.21
  Top Layer w25: T1.2@1985,3115 U6.2@1985,3181.85 ; L1.2@2698.82,3830 L1.2@2698.82,3879.21
  other v1: 1800,3230 2170,3230 1800,3260 2170,3260 2610,3370 2610,3400 2610,3430 2610,3470 2610,3500 2610,3530 2770,3760 2770,3800 2770,3840 2770,3880
VCC_5_ISO: C27.1 C28.1 C33.2 C34.1 U7.5 U10.11 U10.16 | length 333.7
  Top Layer w15: v1(2030,2155) 2063.43,2155 C33.2@2065,2153.43 C34.1@2130,2153.43 2131.97,2153.43 2142.19,2143.21 2142.19,2141.24 2166.78,2116.65 2215.28,2116.65 U10.11@2216.93,2115 ; v1@2090,1860 2126.57,1860 C28.1@2130,1863.43 2215.35,1863.43 U10.16@2216.93,1865
  other v1: 2085,1860 2025,2320 2050,2320 2080,2320 2105,2320
VCCA_3V3: C4.2 C11.1 C32.1 FB3.2 U3.4 U9.5 | length 128
  Top Layer w15: U3.4@3190,2910.22 3190,2983.42 C4.2@3200,2993.43 3201.57,2995 v1(3240,2995)
  other v1: 2845,2630 2866.11,2630.74 2890,3225 2910,3225 2930,3225 2890,3245
VCCD_3V3: C14.2 C15.1 C16.1 C17.1 C30.1 C35.1 C36.1 C40.1 J2.1 R13.1 R21.2 R22.2 R23.1 U4.1 U4.17 U8.5 U10.1 U11.8 | length 1155.8
  Top Layer w12: R23.1@2630,2665.59 2670.59,2665.59 2690.14,2685.14 2690.14,2716.13 U11.8@2691.61,2717.6 ; v1(2689.94,2133.99) 2690,2134.05 R22.2@2690,2164.41 ; R21.2@2965.59,1890 R13.1@2965.59,1820 2965.59,1764.41 3010,1720 J2.1@3010,1680
  Top Layer w15: U10.1@2583.07,1865 2584.72,1863.35 2626.65,1863.35 2638.68,1851.32 2662.1,1851.32 2673.43,1840 2725.55,1840 C35.1@2740,1825.55 v1(2740,1790) ; U11.8@2691.61,2717.6 2691.61,2735.6 2693.21,2737.19 2693.21,2769.78 C40.1@2703.43,2780 2704.48,2781.06 2704.48,2819.48 v1(2705,2820) ; C40.1@2703.43,2788.03 C40.1@2703.43,2790 ; v1(2715,2460) 2715,2421.57 C16.1@2713.43,2420 C14.2@2713.43,2350 2713.43,2276.57 2744.76,2245.24 U4.17@2763.66,2245.24 ; U4.1@3112.25,2024.76 3113.21,2023.81 3113.21,1996.79 3146.57,1963.43 C17.1@3146.57,1920 C15.1@3146.57,1850 3145,1848.43 v1(3145,1810)
  other v1: 2700,3225 2720,3225 2740,3225 2700,3245
pads on no net: J4.1 J4.4 J4.5 J4.8 J4.9 J4.S1 J4.S2 U1C1.7 U1C1.8 U1C2.7 U1C2.8 U1C3.7 U1C3.8 U1C4.7 U1C4.8 U4.13 U4.25 U4.27 U4.29 U4.30 U7.4 U8.4 U9.4 U10.4 U10.6 U10.7 U10.14

## Polygon pours and split planes (outlines as drawn)
VCCA_3V3 on Top Layer "VCCA_3V3_L01_P789" (solid, pour order 110): 2890,3201.46 2890,3155 ccw(c2895,3155) 2895,3150 2940,3150 ccw(c2940,3155) 2945,3155 2945,3217.93 ccw(c2915.87,3217.93) 2926.65,3245 2910,3245 2910,3257 2887,3257 ccw(c2887,3246) 2876,3246 2876,3223.08 ccw(c2891.61,3225.78) 2883.85,3211.97 cw(c2877.94,3201.46)
VCCD_3V3 on Top Layer "VCCA_3V3_L01_P789" (solid, pour order 109): 2700,3201.46 2700,3155 ccw(c2705,3155) 2705,3150 2750,3150 ccw(c2750,3155) 2755,3155 2755,3217.93 ccw(c2725.87,3217.93) 2736.65,3245 2720,3245 2720,3257 2697,3257 ccw(c2697,3246) 2686,3246 2686,3223.08 ccw(c2701.61,3225.78) 2693.85,3211.97 cw(c2687.94,3201.46)
no net on Top Layer "NONET_L01_P107" (solid, pour order 107): 2718.32,3245
GND on Top Layer "GND_L01_P106" (solid, pour order 106): 3030,4070 3030,3320 cw(c2990,3320) 2990,3280 2640,3280 2560,3200 2560,3170 cw(c2530,3170) 2530,3140 1290,3140 cw(c1290,3190) 1240,3190 1240,4170 cw(c1270,4170) 1270,4200 2900,4200 cw(c2900,4070)
GND on Top Layer "GND_L01_P105" (solid, pour order 105): 2915,2490 2955,2450 2955,2420 2890,2420 2890,2490
no net on Top Layer "NONET_L01_P104" (solid, pour order 104): 2900,2500
VCCA_3V3 on Top Layer "VCCA_3V3_L01_P103" (solid, pour order 103): 2835,2655 2875,2655 2880,2650 cw(c2875.17,2645.17) 2882,2645.17 2882,2600 2828,2600 2828,2645.17 cw(c2834.83,2645.17) 2830,2650
VCC_5 on Top Layer "VCC_5_L01_P102" (solid, pour order 102): 2930,3360 2900,3360 2900,3460 2745,3460 2745,3380 2640,3380 2620,3360 2620,3342.07 cw(c2578.79,3342.07) 2607.93,3312.93 2603.54,3308.54 cw(c2582.93,3329.14) 2582.93,3300 2540,3300 2540,3580 2700,3740 2700,3940 2950,3940 2950,3380 cw(c2930,3380)
GND on Top Layer "GND_L01_P101" (solid, pour order 101): 2870,3210 2800,3210 ccw(c2800,3200) 2790,3200 2790,3160 ccw(c2800,3160) 2800,3150 2870,3150
GND on Top Layer "GND_L01_P100" (solid, pour order 100): 2680,3210 2610,3210 ccw(c2610,3200) 2600,3200 2600,3160 ccw(c2610,3160) 2610,3150 2680,3150
GND on Top Layer "GND_L01_0099" (solid, pour order 92): 1530,3320 1920,3320 1930,3310 1965,3310 1965,3320 1970,3325 2000,3325 2005,3320 2005,3310 2290,3310 2300,3300 2370,3300 2370,3350 2380,3360 2470,3360 2470,3580 2220,3580 2220,3470 2115,3470 2040,3545 1950,3545 1925,3520 1530,3520
GND on Top Layer "GND_L01_P094" (solid, pour order 94): 2265,4060 2265,3940 2210,3940 2210,3810.71 2149.29,3750 2005,3750 1940,3815 1940,3975 2095,3975 2100,3980 2100,4060
NetC25_1 on Top Layer "NetC24_1_L01_099" (solid, pour order 82): 2006.15,2496 2078.27,2496 ccw(c2078.27,2550.87) 2117.07,2512.07 2142,2537 2142,2573 ccw(c2130,2573) 2130,2585 2081,2585 2081,2644 ccw(c2058,2644) 2058,2667 2026,2667 2026,2527 1914,2527 1901,2540 1830,2540 1830,2538 ccw(c1866,2538) 1866,2502 1925.86,2502 1930.86,2495 1954.14,2495 1959.14,2502 2002.69,2502
GND_ISO on Top Layer "GND_ISO_L01_P077" (solid, pour order 77): 1969,2463 1991,2463 1991,2460 1997,2454 2071,2454 2071,2412 2061,2402 1920,2402 1920,2454 1963,2454 1969,2460
VCC_5_ISO on Top Layer "VCC_5_ISO_L01_P075" (solid, pour order 75): 2125,2388 2006,2388 2006,2319 ccw(c2025,2319) 2025,2300 2106,2300 ccw(c2106,2319) 2125,2319
GND_ISO on Top Layer "GND_ISO_L01_P073" (solid, pour order 73): 1998,2741 1972.41,2741 ccw(c1972.41,2667.58) 1920.49,2719.49 1911.73,2710.73 ccw(c1964.17,2658.28) 1890,2658.27 1890,2585 ccw(c1940,2585) 1940,2535 1970,2535 1970,2540 1970,2658.6 1985.91,2678.98 1998,2701.3
VCC_5 on Top Layer "VCC_5_L01_P068" (solid, pour order 68): 2125,3220 2125,3270 cw(c2149.14,3245.86) 2149.14,3280 2182.5,3280 cw(c2182.5,3272.5) 2190,3272.5 2190,3217.5 cw(c2182.5,3217.5) 2182.5,3210 2149.14,3210 cw(c2149.14,3244.14)
VCC_5 on Top Layer "VCC_5_L01_P066" (solid, pour order 66): 1847.5,3270 1847.5,3220 cw(c1823.36,3244.14) 1823.36,3210 1790,3210 cw(c1790,3217.5) 1782.5,3217.5 1782.5,3272.5 cw(c1790,3272.5) 1790,3280 1823.36,3280 cw(c1823.36,3245.86)
VCC_5 on Top Layer "VCC_5_L01_P065" (solid, pour order 65): 1890,3270 1965,3270 1975,3280 1995,3280 2005,3270 2080,3270 2080,3220 2005,3220 1995,3210 1975,3210 1965,3220 1890,3220
NetC19_1 on Top Layer "NETC19_1_L01_P060" (solid, pour order 60): 1782,3815 1945,3815 1945,3805 2010,3740 2097,3740 2097,3690.25 2051.75,3645 1940,3645 1870,3715 1795,3715 1782,3728
NetC18_1 on Top Layer "NETC18_1_L01_P061" (solid, pour order 61): 2200,3936.5 2275,3936.5 2275,3640 2265,3630 2110,3630 2110,3680 2110,3750 2149.29,3750 2200,3872.43
GND on Top Layer "GND_L01_P059_OSC_GUARD" (solid, pour order 59): 3400,2225 3217.59,2225 ccw(c3217.59,2219.47) 3212.51,2221.65 3130,2139.14 3130,2025 3192.93,1962.07 ccw(c3210,1979.14) 3210,1955 3410,1955 ccw(c3410,1975) 3430,1975 3430,2195 ccw(c3400,2195)
GND on GND Layer "GND_L02_P036" (solid, pour order 72): 2550,1510 3589,1510 3589,4200 1240,4200 1240,3100 2550,3100
GND_ISO on GND Layer "GND_ISO_L02_P030" (solid, pour order 30): 1440,2770 2250,2770 2250,2300 2250,1570 1440,1570
VCCD_3V3 on Power Layer "VCCD_3V3_L03_P043" (solid, pour order 89): 2550,3125 2550,1560 3589,1560 3589,2250 2952,2250 2775,2427 2775,3280 2615,3280
VCC_5 on Power Layer "VCC_5_POWER_PLANE_01" (solid, pour order 97): 2486,3110 2590,3340 2950,3340 2950,4200 1240,4200 1240,3110
VCCA_3V3 on Power Layer "VCCA_3V3_L03_P056" (solid, pour order 56): 2810,3280 3589,3280 3589,2285 2965,2285 2810,2440
VCC_5_ISO on Power Layer "VCC_5_ISO_L03_P043" (solid, pour order 43): 2250,2370 1920,2370 1920,2250 1980,2190 1980,1770 2250,1770

## Keep-outs
Keep-Out Layer:
  the board outline again, w1

## Other copper
Top Layer:
  pour cut-out: 1449.57,3956.5 1449.57,3923.5 1550.43,3923.5 1550.43,3956.5
  pour cut-out: 2610,3940 2610,3670 2650,3710 2650,3940
  pour cut-out: 2371.3,3949.33 2389.33,3949.33 2390,3950 2400,3950 2400,3710 2399.33,3710.67 2371.3,3710.67
GND Layer:
  pour cut-out: 1530,5425.55
Power Layer:
  pour cut-out: 2550,3100

## Silkscreen, mask and mechanical layers (free items; w line width, h text height)
Top Overlay:
  circle w10: c4200,1500 r89
  circle w10: c1800,1500 r89
  circle w10: c5000,4180 r89
  circle w10: c1350,4120 r89
  text "AIC-ISO-C v1" at 1939,1519 h48
  text "PABLINTINO" at 1939,1439 h48